# Altium PCB IoT_Greenhouse V1.0 A.PcbDoc (continued)
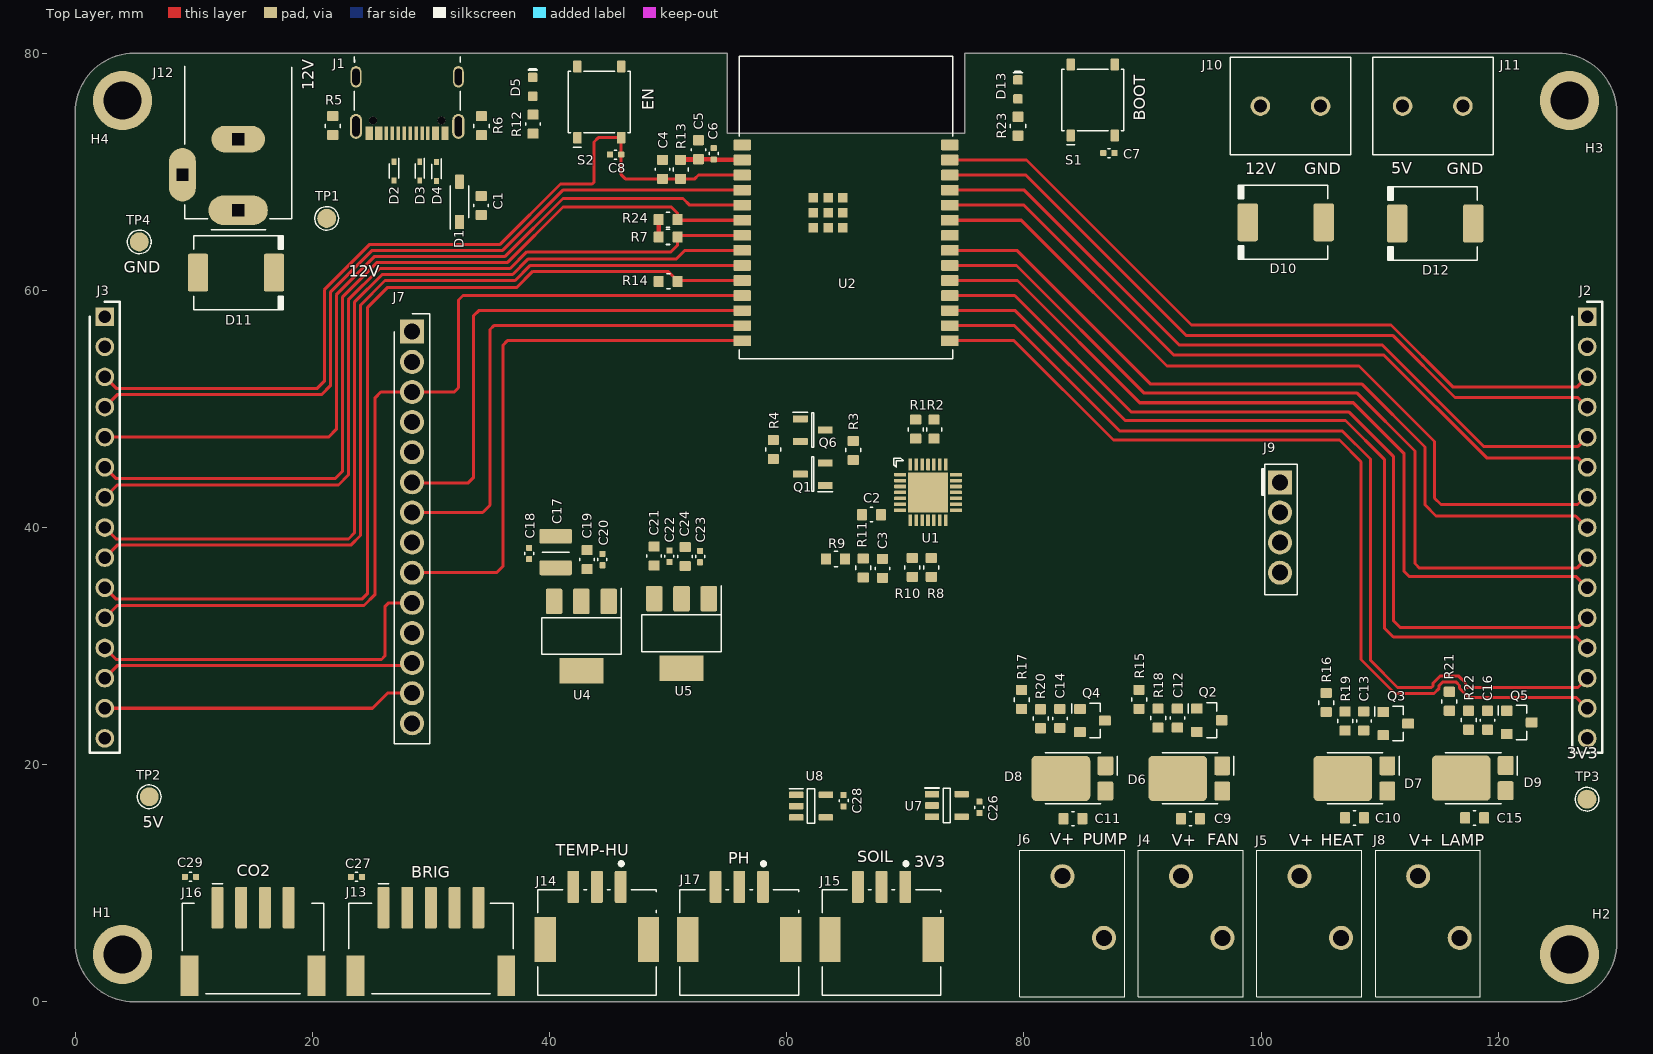
[diagram p0: Top Layer view]
## Part data (continued)
J14 J15 J17: library part CONN_JST_PH_3P_2MM_SM03B-PASS-TBT, "Conn Header SMD R/a 3POS 2MM", Manufacturer=JST, Supplier Part Number 1=455-SM03B-PASS-TBTCT-ND, Manufacturer Part Number=SM03B-PASS-TBT, Pricing 1="1=0.78, 10=0.657, 100=0.5904, 500=0.48304, 1000=0.42938, 2000=0.40254, 3000=0.38912, 5000=0.3757, 10000=0.35692, 25000=0.34887 (USD)", RoHS=No, Stock 1=258662, Supplier 1=Digikey
J16: library part CONN_JST_PH_RA_4P_2mm_JLCPCB, "1x4P PH 1 Tin 2mm 4 -25℃~+85℃ 2A Copper Alloy Surface Mount SMD,P=2mm Wire To Board / Wire To Wire Connector ROHS", Color=White, Current Rating=2A, Flammability Rating="UL94 V-0", Housing Color=Natural, Insulation Resistance=1GR, JLCPCB Part Number=C265102, Manufacturer=JST, Voltage Rating=100V, Category=Connectors, Contact Material="Copper Alloy", Contact Plating=Tin, Gender=Male, Height=5.5mm, Housing Material=Nylon, Lead Free="Lead Free", Length=11.9mm, Manufacturer Part Number=S4B-PH-SM4-TB(LF)(SN, Number of Contacts=4, Number of Positions=4, Number of Rows=1, Orientation="Right Angle", Packaging="Cut Tape", Pitch=2mm, Reach SVHC Compliant=Yes, RoHS=No, Supplier 1=jlcpcb, Termination=Solder, Voltage Rating (AC)=100V, Width=7.6mm
Q1 Q6: library part TRANS_BJT_NPN_800mA_25V_KSC3265YMTF, "KSC3265 Series 25 V CE Breakdown .8 A NPN Epitaxial Silicon Transistor - SOT-23", Case/Package=SOT-23, Collector Base Voltage (VCBO)=30V, Collector Emitter Breakdown Voltage=25V, Collector Emitter Saturation Voltage=400mV, Current Rating=800mA, Emitter Base Voltage (VEBO)=5V, Frequency=120MHz, Manufacturer="ON Semiconductor / Fairchild", Max Operating Temperature=150°C, Max Power Dissipation=200mW, Min Operating Temperature=-55°C, Package Quantity=3000, Supplier Part Number 1=KSC3265YMTFCT-ND, Category=BJTs, Collector Emitter Voltage (VCEO)=25V, Collector-emitter Voltage-Max=400mV, ComponentLink1Description=https://datasheet.ciiva.com/15138/getdatasheetpartid-30747-15138569.pdf?src-supplier=Verical, ComponentLink1URL=https://datasheet.ciiva.com/15138/getdatasheetpartid-30747-15138569.pdf?src-supplier=Verical, ComponentLink2Description=https://datasheet.ciiva.com/6356/ksc3265-6356136.pdf?src-supplier=Digikey, ComponentLink2URL=https://datasheet.ciiva.com/6356/ksc3265-6356136.pdf?src-supplier=Digikey, ComponentLink3Description=https://datasheet.ciiva.com/6356/ksc3265-6356138.pdf?src-supplier=Digikey, ComponentLink3URL=https://datasheet.ciiva.com/6356/ksc3265-6356138.pdf?src-supplier=Digikey, ComponentLink4Description=https://datasheet.ciiva.com/6356/ksc3265-6356141.pdf?src-supplier=Digikey, ComponentLink4URL=https://datasheet.ciiva.com/6356/ksc3265-6356141.pdf?src-supplier=Digikey, Gain Bandwidth Product=120MHz, Height=0.97mm, hFE Min=100, Lead Free="Lead Free", Length=2.9mm, Manufacturer Part Number=KSC3265YMTF, Max Breakdown Voltage=25V, Max Collector Current=800mA, Max Frequency=120MHz, Mount="Surface Mount", Number of Elements=1, Number of Pins=3, Packaging="Tape and Reel", Polarity=NPN, Power Dissipation=200mW, Pricing 1="1=0.22, 10=0.132, 100=0.0817, 500=0.05974, 1000=0.0526, 3000=0.0435, 6000=0.0389, 9000=0.03655, 15000=0.0339, 21000=0.03233, 30000=0.0308, 75000=0.02745, 150000=0.02537, 300000=0.02363 (USD)", Radiation Hardening=No, Reach SVHC Compliant=No, RoHS=Yes, RoHS Compliant=Yes, Series=-, Stock 1=8859, Supplier 1=Digikey, Transition Frequency=120MHz, Voltage Rating (DC)=25V, Weight=0.03g, Width=1.3mm
Q2 Q3 Q4 Q5: library part TRANS_FET_CH_N_20V_6.5A_DMG6968U-7, "Trans Mosfet N-ch 20V 6.5A 3-PIN SOT-23 T/r Trans Mosfet N-ch 20V 6.5A 3-PIN SOT-23 T/r", Case/Package=SOT-23-3, Continuous Drain Current (ID)=6.5A, Drain to Source Resistance=25mR, Drain to Source Voltage (Vdss)=20V, Drain-source On Resistance-Max=36mR, Gate to Source Voltage (Vgs)=12V, Input Capacitance=151pF, Manufacturer=Diodes, Max Operating Temperature=150°C, Max Power Dissipation=1.3W, Min Operating Temperature=-55°C, Package Quantity=1, Supplier Part Number 1=DMG6968UDICT-ND, Threshold Voltage=500mV, Category=MOSFETs, ComponentLink1Description=https://datasheet.ciiva.com/5774/ds31738-5774992.pdf?src-supplier=Farnell, ComponentLink1URL=https://datasheet.ciiva.com/5774/ds31738-5774992.pdf?src-supplier=Farnell, ComponentLink2Description=https://datasheet.ciiva.com/22712/1915638-22712395.pdf?src-supplier=Element14, ComponentLink2URL=https://datasheet.ciiva.com/22712/1915638-22712395.pdf?src-supplier=Element14, Fall Time=205ns, Height=1mm, Lead Free="Lead Free", Length=2.9mm, Manufacturer Part Number=DMG6968U-7, Mount="Surface Mount", Nominal Vgs=500mV, Number of Channels=1, Number of Pins=3, Packaging="Tape and Reel", Polarity=N-CHANNEL, Pricing 1="1=0.37, 10=0.289, 100=0.1732, 500=0.16034, 1000=0.10903 (USD)", Radiation Hardening=No, Rds On Max=25mR, Reach SVHC Compliant=No, Rise Time=66ns, RoHS=Yes, RoHS Compliant=Yes, Series=-, Stock 1=575891, Supplier 1=Digikey, Turn-Off Delay Time=613ns, Turn-On Delay Time=54ns, Weight=0.000282oz, Width=1.3mm
R1 R2: library part RES_0R_1%_100mW_0603, "RC Series 0603 0.1 W 0 Ohm Jumper Surface Mount Thick Film Chip Resistor", Case Code (Imperial)=0603, Case Code (Metric)=1608, Current Rating=1A, Manufacturer=Yageo, Max Operating Temperature=155°C, Max Power Dissipation=100mW, Min Operating Temperature=-55°C, Package Quantity=5000, Resistance=0R, Resistance Tolerance=1%, Resistor Type="Thick Film", Supplier Part Number 1=311-0.0HRCT-ND, Temperature Coefficient=200ppm/°C, Voltage Rating=50V, Working Voltage=75V, Case/Package=0603, Category="Chip SMD Resistors", ComponentLink1Description=https://datasheet.ciiva.com/11808/0900766b80f96399-11808172.pdf?src-supplier=Rs, ComponentLink1URL=https://datasheet.ciiva.com/11808/0900766b80f96399-11808172.pdf?src-supplier=Rs, ComponentLink2Description=https://datasheet.ciiva.com/5684/443971-5684699.pdf?src-supplier=Farnell, ComponentLink2URL=https://datasheet.ciiva.com/5684/443971-5684699.pdf?src-supplier=Farnell, ComponentLink3Description=https://datasheet.ciiva.com/7983/443971-7983627.pdf?src-supplier=Element14, ComponentLink3URL=https://datasheet.ciiva.com/7983/443971-7983627.pdf?src-supplier=Element14, ComponentLink4Description=https://datasheet.ciiva.com/22643/1868787-22643388.pdf?src-supplier=Element14, ComponentLink4URL=https://datasheet.ciiva.com/22643/1868787-22643388.pdf?src-supplier=Element14, ComponentLink5Description=https://datasheet.ciiva.com/46382/443971-46382072.pdf?src-supplier=Element14, ComponentLink5URL=https://datasheet.ciiva.com/46382/443971-46382072.pdf?src-supplier=Element14, ComponentLink6Description=https://datasheet.ciiva.com/29721/pyu-r-int-thick-7-29721178.pdf?src-supplier=Digi-Key, ComponentLink6URL=https://datasheet.ciiva.com/29721/pyu-r-int-thick-7-29721178.pdf?src-supplier=Digi-Key, ComponentLink7Description=https://datasheet.ciiva.com/29721/pyu-rc0603-51-rohs-l-4-29721179.pdf?src-supplier=Digi-Key, ComponentLink7URL=https://datasheet.ciiva.com/29721/pyu-rc0603-51-rohs-l-4-29721179.pdf?src-supplier=Digi-Key, ComponentLink8Description=https://datasheet.ciiva.com/5558/rc0603-272842-5558341.pdf?src-supplier=Mouser, ComponentLink8URL=https://datasheet.ciiva.com/5558/rc0603-272842-5558341.pdf?src-supplier=Mouser, Construction=Rectangular, Contact Plating=Tin,Matte, Depth=0.8mm, Features="Moisture Resistant", Height=0.45mm, Lead Free="Lead Free", Length=1.6mm, Manufacturer Part Number=RC0603FR-070RL, Military Standard=Not, Number of Pins=2, Number of Terminations=2, Packaging="Tape and Reel", Power Rating=100mW, Pricing 1="1=0.10000, 10=0.01800, 25=0.01320, 50=0.01000, 100=0.00730, 250=0.00560, 500=0.00448, 1000=0.00329 (USD)", Radiation Hardening=No, Reach SVHC Compliant=Yes, RoHS=Yes, RoHS Compliant=Yes, Series=RC, Stock 1=2843917, Supplier 1=Digi-Key, Technology="THICK FILM", Termination=SMD/SMT, Tolerance=1%, Voltage Rating (DC)=50V, Width=0.8mm
R3 R4 R8 R13 R14: library part RES_10K_1%_100mW_0603, "Chip Resistor Automotive Grade Thick Film 0603 10kOhm 1% Paper T/R", Case Code (Imperial)=0603, Case Code (Metric)=1608, Manufacturer=Yageo, Max Operating Temperature=155°C, Min Operating Temperature=-55°C, Power Rating=100mW, Resistance=10K, Supplier Part Number 1=13-AC0603FR-1010KLCT-ND, Temperature Coefficient=100ppm/°C, Tolerance=1%, Voltage Rating=50V, Case/Package=0603, Category="Chip SMD Resistors", ComponentLink1Description=http://www.mouser.com/ds/2/447/yageodocoutput-1111992.pdf?src-supplier=Mouser, ComponentLink1URL=http://www.mouser.com/ds/2/447/yageodocoutput-1111992.pdf?src-supplier=Mouser, Height=0.45mm, Length=1.6mm, Manufacturer Part Number=AC0603FR-1010KL, Packaging="Tape and Reel", Pricing 1="1=0.10000, 10=0.02500, 100=0.01030, 1000=0.00463, 2500=0.00402, 5000=0.00332 (USD)", RoHS=Yes, RoHS Compliant=Yes, Series=AC, Stock 1=172891, Supplier 1=Digi-Key, Supplier 2=Newark, Supplier 3=Avnet, Supplier Part Number 2=49AK0662, Supplier Part Number 3=49AK0662, Termination=SMD/SMT, Weight=7.1E-05oz, Width=0.8mm
R5 R6: library part RES_5.1K_1%_100mW_0603, "SMD Chip Resistor, 5.1 kOhm, ± 1%, 100 mW, 0603 [1608 Metric], Thick Film, General Purpose", Case Code (Imperial)=0603, Case Code (Metric)=1608, Manufacturer=Yageo, Max Operating Temperature=155°C, Max Power Dissipation=100mW, Min Operating Temperature=-55°C, Package Quantity=1, Resistance=5.1K, Resistance Tolerance=1%, Resistor Type="Thick Film", Supplier Part Number 1=311-5.10KHRCT-ND, Temperature Coefficient=100ppm/°C, Voltage Rating=50V, Case/Package=0603, Category="Chip SMD Resistors", ComponentLink1Description=https://datasheet.ciiva.com/15189/getdatasheetpartid-326732-15189786.pdf?src-supplier=Verical, ComponentLink1URL=https://datasheet.ciiva.com/15189/getdatasheetpartid-326732-15189786.pdf?src-supplier=Verical, ComponentLink2Description=https://datasheet.ciiva.com/46395/443971-46395016.pdf?src-supplier=Element14, ComponentLink2URL=https://datasheet.ciiva.com/46395/443971-46395016.pdf?src-supplier=Element14, ComponentLink3Description=https://datasheet.ciiva.com/2454/pyu-r-int-thick-7-2454045.pdf?src-supplier=Digi-Key, ComponentLink3URL=https://datasheet.ciiva.com/2454/pyu-r-int-thick-7-2454045.pdf?src-supplier=Digi-Key, ComponentLink4Description=https://datasheet.ciiva.com/2454/pyu-r-int-thick-7-2454046.pdf?src-supplier=Digi-Key, ComponentLink4URL=https://datasheet.ciiva.com/2454/pyu-r-int-thick-7-2454046.pdf?src-supplier=Digi-Key, ComponentLink5Description=https://datasheet.ciiva.com/2454/pyu-r-int-thick-7-2454047.pdf?src-supplier=Digi-Key, ComponentLink5URL=https://datasheet.ciiva.com/2454/pyu-r-int-thick-7-2454047.pdf?src-supplier=Digi-Key, Construction=Rectangular, Depth=0.8mm, Features="Moisture Resistant", Height=0.022inch, Lead Free="Lead Free", Length=0.063inch, Manufacturer Part Number=RC0603FR-075K1L, Military Standard=Not, Number of Pins=2, Number of Terminations=2, Packaging="Tape and Reel", Power Rating=100mW, Pricing 1="1=0.1, 10=0.018, 50=0.0106, 100=0.0088, 500=0.00592, 1000=0.00505 (USD)", Reach SVHC Compliant=No, RoHS=Yes, RoHS Compliant=Yes, Series=RC, Size Code=0603, Stock 1=3197702, Supplier 1=Digi-Key, Termination=SMD/SMT, Tolerance=1%, Voltage Rating (DC)=50V, Width=0.031inch
R7 R24: library part RES_4.7K_1%_100mW_0603, "Res Thick Film 0603 4.7K Ohm 1% 1/10W ±100ppm/°C Molded SMD Paper T/R", Case Code (Imperial)=0603, Case Code (Metric)=1608, Manufacturer=Yageo, Max Operating Temperature=155°C, Max Power Dissipation=100mW, Min Operating Temperature=-55°C, Resistance=4.7K, Resistance Tolerance=1%, Resistor Type="Thick Film", Supplier Part Number 1=311-4.70KHRDKR-ND, Temperature Coefficient=100ppm/°C, Voltage Rating=50V, Case/Package=0603, Category="Chip SMD Resistors", ComponentLink1Description=https://datasheet.ciiva.com/15189/getdatasheetpartid-422754-15189760.pdf?src-supplier=Verical, ComponentLink1URL=https://datasheet.ciiva.com/15189/getdatasheetpartid-422754-15189760.pdf?src-supplier=Verical, ComponentLink2Description=https://datasheet.ciiva.com/7660/38590-7660794.pdf?src-supplier=Element14, ComponentLink2URL=https://datasheet.ciiva.com/7660/38590-7660794.pdf?src-supplier=Element14, ComponentLink3Description=https://datasheet.ciiva.com/22747/443971-22747528.pdf?src-supplier=Element14, ComponentLink3URL=https://datasheet.ciiva.com/22747/443971-22747528.pdf?src-supplier=Element14, ComponentLink4Description=https://datasheet.ciiva.com/46440/1868787-46440909.pdf?src-supplier=Element14, ComponentLink4URL=https://datasheet.ciiva.com/46440/1868787-46440909.pdf?src-supplier=Element14, ComponentLink5Description=https://datasheet.ciiva.com/7746/1868787-7746365.pdf?src-supplier=Element14, ComponentLink5URL=https://datasheet.ciiva.com/7746/1868787-7746365.pdf?src-supplier=Element14, ComponentLink6Description=https://datasheet.ciiva.com/7746/1738695-7746366.pdf?src-supplier=Element14, ComponentLink6URL=https://datasheet.ciiva.com/7746/1738695-7746366.pdf?src-supplier=Element14, Construction=Rectangular, Depth=0.8mm, Features="Moisture Resistant", Height=0.45mm, Lead Free="Lead Free", Lead Pitch=0.3mm, Length=1.6mm, Manufacturer Part Number=RC0603FR-074K7L, Military Standard=Not, Number of Pins=2, Number of Terminations=2, Packaging="Tape and Reel", Power Rating=100mW, Pricing 1="1=0.10000, 10=0.01900, 100=0.00770, 1000=0.00345, 2500=0.00300 (USD)", RoHS=Yes, RoHS Compliant=Yes, Series=RC, Size Code=0603, Stock 1=12195533, Supplier 1=Digi-Key, Supplier 2=Newark, Supplier 3=Mouser, Supplier Part Number 2=75X0151, Supplier Part Number 3=603-RC0603FR-074K7L, Termination=SMD/SMT, Tolerance=1%, Voltage Rating (DC)=50V, Width=0.8mm
R9: library part RES_22.1K_1%_100mW_0603, "SMD Chip Resistor, 22.1 kOhm, ± 1%, 100 mW, 0603 [1608 Metric], Thick Film, General Purpose", Case Code (Imperial)=0603, Case Code (Metric)=1608, Manufacturer=Yageo, Max Operating Temperature=155°C, Max Power Dissipation=100mW, Min Operating Temperature=-55°C, Package Quantity=5000, Resistance=22.1K, Supplier Part Number 1=311-22.1KHRCT-ND, Temperature Coefficient=100ppm/°C, Tolerance=1%, Voltage Rating=50V, Case/Package=0603, Category="Chip SMD Resistors", ComponentLink1Description=https://datasheet.ciiva.com/12555/rc0603-272842-12555287.pdf?src-supplier=Mouser, ComponentLink1URL=https://datasheet.ciiva.com/12555/rc0603-272842-12555287.pdf?src-supplier=Mouser, Features="Moisture Resistant", Height=0.45mm, Lead Free=5697LeadFree, Length=1.6mm, Manufacturer Part Number=RC0603FR-0722K1L, Number of Terminations=2, Packaging="Tape and Reel", Power Rating=100mW, Pricing 1="1=0.1, 10=0.019, 50=0.0112, 100=0.0093, 500=0.00622, 1000=0.00532 (USD)", RoHS=Yes, RoHS Compliant=Yes, Series=RC, Size Code=0603, Stock 1=270995, Supplier 1=Digikey, Termination=SMD/SMT, Voltage Rating (DC)=50V, Width=0.8mm
R10: library part RES_1K_1%_100mW_0603, "Chip Resistor Automotive Grade Thick Film 0603 1kOhm 1% Paper T/R", Case Code (Imperial)=0603, Case Code (Metric)=1608, Manufacturer=Yageo, Max Operating Temperature=155°C, Min Operating Temperature=-55°C, Power Rating=100mW, Resistance=1K, Supplier Part Number 1=13-AC0603FR-101KLDKR-ND, Temperature Coefficient=100ppm/°C, Tolerance=1%, Voltage Rating=50V, Case/Package=0603, Category="Chip SMD Resistors", ComponentLink1Description=http://www.mouser.com/ds/2/447/yageodocoutput-1111992.pdf?src-supplier=Mouser, ComponentLink1URL=http://www.mouser.com/ds/2/447/yageodocoutput-1111992.pdf?src-supplier=Mouser, Height=0.45mm, Length=1.6mm, Manufacturer Part Number=AC0603FR-101KL, Packaging="Tape and Reel", Pricing 1="1=0.10000, 10=0.02500, 100=0.01030, 1000=0.00463, 2500=0.00402, 5000=0.00332 (USD)", RoHS=Yes, RoHS Compliant=Yes, Series=AC, Stock 1=108593, Supplier 1=Digi-Key, Supplier 2=Newark, Supplier 3=Mouser, Supplier Part Number 2=31AK9289, Supplier Part Number 3=603-AC0603FR-101KL, Termination=SMD/SMT, Width=0.8mm
R11: library part RES_47.5K_1%_100mW_0603, "SMD Chip Resistor, 47.5 kOhm, ± 1%, 100 mW, 0603 [1608 Metric], Thick Film, General Purpose", Case Code (Imperial)=0603, Case Code (Metric)=1608, Manufacturer=Yageo, Max Operating Temperature=155°C, Max Power Dissipation=100mW, Min Operating Temperature=-55°C, Ratings=AEC-Q200, Resistance=47.5K, Supplier Part Number 1=YAG5340CT-ND, Temperature Coefficient=100ppm/°C, Tolerance=1%, Voltage Rating=50V, Case/Package=0603, Category="Chip SMD Resistors", ComponentLink1Description=http://www.mouser.com/ds/2/447/yageodocoutput-1111992.pdf?src-supplier=Mouser, ComponentLink1URL=http://www.mouser.com/ds/2/447/yageodocoutput-1111992.pdf?src-supplier=Mouser, ComponentLink2Description=https://www.yageo.com/upload/media/product/productsearch/datasheet/rchip/PYu-AC_51_RoHS_L_7.pdf?src-supplier=Digikey, ComponentLink2URL=https://www.yageo.com/upload/media/product/productsearch/datasheet/rchip/PYu-AC_51_RoHS_L_7.pdf?src-supplier=Digikey, ComponentLink3Description=http://www.yageo.com/NewPortal/yageodocoutput?fileName=/pdf/R-Chip/PYu-AC_51_RoHS_L_6.pdf&src-supplier=Digikey, ComponentLink3URL=http://www.yageo.com/NewPortal/yageodocoutput?fileName=/pdf/R-Chip/PYu-AC_51_RoHS_L_6.pdf&src-supplier=Digikey, ComponentLink4Description=http://www.yageo.com/NewPortal/yageodocoutput?fileName=/pdf/R-Chip/PYu-AC_51_RoHS_L_5.pdf&src-supplier=Digikey, ComponentLink4URL=http://www.yageo.com/NewPortal/yageodocoutput?fileName=/pdf/R-Chip/PYu-AC_51_RoHS_L_5.pdf&src-supplier=Digikey, Features="Moisture Resistant,Automotive AEC-Q200", Height=0.022inch, Length=0.063inch, Manufacturer Part Number=AC0603FR-0747K5L, Number of Terminations=2, Packaging="Tape and Reel", Power Rating=100mW, Pricing 1="1=0.1, 10=0.021, 50=0.013, 100=0.0108, 500=0.00734, 1000=0.00633 (USD)", RoHS=Yes, RoHS Compliant=Yes, Series=AC, Stock 1=18567, Supplier 1=Digikey, Termination=SMD/SMT, Width=0.8mm
R12: library part RES_100R_1%_100MW_0603, "Res Thick Film 0603 100 Ohm 1% 1/10W ±100ppm/°C Molded SMD Punched Carrier T/R", Case Code (Imperial)=0603, Case Code (Metric)=1608, Manufacturer=Panasonic, Max Operating Temperature=155°C, Max Power Dissipation=100mW, Min Operating Temperature=-55°C, Package Quantity=5000, Resistance=100R, Resistance Tolerance=1%, Resistor Type="Thick Film", Supplier Part Number 1=667-ERJ-3EKF1000V, Temperature Coefficient=100ppm/°C, Voltage Rating=75V, Case/Package=0603, Category="Chip SMD Resistors", ComponentLink1Description=https://datasheet.ciiva.com/34303/1987450-34303565.pdf?src-supplier=Jameco, ComponentLink1URL=https://datasheet.ciiva.com/34303/1987450-34303565.pdf?src-supplier=Jameco, ComponentLink2Description=https://datasheet.ciiva.com/24159/aoa0000ce2-24159753.pdf?src-supplier=Mouser, ComponentLink2URL=https://datasheet.ciiva.com/24159/aoa0000ce2-24159753.pdf?src-supplier=Mouser, ComponentLink3Description=https://datasheet.ciiva.com/30088/aoa0000ce2-30088649.pdf?src-supplier=Onlinecomponents.com, ComponentLink3URL=https://datasheet.ciiva.com/30088/aoa0000ce2-30088649.pdf?src-supplier=Onlinecomponents.com, ComponentLink4Description=https://datasheet.ciiva.com/16762/70260748-16762666.pdf?src-supplier=Allied+Electronics, ComponentLink4URL=https://datasheet.ciiva.com/16762/70260748-16762666.pdf?src-supplier=Allied+Electronics, ComponentLink5Description=https://datasheet.ciiva.com/16765/70260748-16765766.pdf?src-supplier=Allied+Electronics, ComponentLink5URL=https://datasheet.ciiva.com/16765/70260748-16765766.pdf?src-supplier=Allied+Electronics, ComponentLink6Description=https://datasheet.ciiva.com/9186/aoa0000ce2-9186725.pdf?src-supplier=Avnet, ComponentLink6URL=https://datasheet.ciiva.com/9186/aoa0000ce2-9186725.pdf?src-supplier=Avnet, ComponentLink7Description=https://datasheet.ciiva.com/48530/aoa0000ce2-48530986.pdf?src-supplier=Avnet, ComponentLink7URL=https://datasheet.ciiva.com/48530/aoa0000ce2-48530986.pdf?src-supplier=Avnet, ComponentLink8Description=https://datasheet.ciiva.com/22667/1678782-22667887.pdf?src-supplier=Element14, ComponentLink8URL=https://datasheet.ciiva.com/22667/1678782-22667887.pdf?src-supplier=Element14, ComponentLink9Description=https://datasheet.ciiva.com/46372/1678782-46372726.pdf?src-supplier=Element14, ComponentLink9URL=https://datasheet.ciiva.com/46372/1678782-46372726.pdf?src-supplier=Element14, ComponentLink10Description=https://datasheet.ciiva.com/46372/1678782-46372727.pdf?src-supplier=Element14, ComponentLink10URL=https://datasheet.ciiva.com/46372/1678782-46372727.pdf?src-supplier=Element14, ComponentLink11Description=https://datasheet.ciiva.com/7830/aoa0000ce2-7830728.pdf?src-supplier=Element14, ComponentLink11URL=https://datasheet.ciiva.com/7830/aoa0000ce2-7830728.pdf?src-supplier=Element14, Construction=Rectangular, Contact Plating=Tin, Depth=0.8mm, Features="Automotive AEC-Q200", Height=0.45mm, Lead Free="Lead Free", Length=1.6mm, Manufacturer Part Number=ERJ3EKF1000V, Military Standard=Not, Mount="Surface Mount", Number of Terminations=2, Packaging="Tape and Reel", Power Rating=100mW, Pricing 1="1=0.1, 10=0.024, 50=0.024, 100=0.011, 1000=0.008, 10000=0.005 (USD)", Radiation Hardening=No, Reach SVHC Compliant=No, RoHS=Yes, RoHS Compliant=Yes, Series=ERJ, Size Code=0603, Stock 1=2420097, Supplier 1=Mouser, Termination=SMD/SMT, Tolerance=1%, Voltage Rating (DC)=75V, Weight=7.1E-05oz, Width=0.8mm
R15 R16 R17 R21: library part RES_10R_5%_100mW_0603, "SMD Chip Resistor, 10 Ohm, ± 5%, 100 mW, 0603 [1608 Metric], Thick Film, General Purpose", Case Code (Imperial)=0603, Case Code (Metric)=1608, Manufacturer=Yageo, Max Operating Temperature=155°C, Max Power Dissipation=100mW, Min Operating Temperature=-55°C, Resistance=10R, Resistance Tolerance=5%, Resistor Type="Thick Film", Supplier Part Number 1=311-10GRCT-ND, Temperature Coefficient=200ppm/°C, Voltage Rating=50V, Case/Package=0603, Category="Chip SMD Resistors", ComponentLink1Description=https://datasheet.ciiva.com/46395/443971-46395069.pdf?src-supplier=Element14, ComponentLink1URL=https://datasheet.ciiva.com/46395/443971-46395069.pdf?src-supplier=Element14, ComponentLink2Description=https://datasheet.ciiva.com/7746/443971-7746431.pdf?src-supplier=Element14, ComponentLink2URL=https://datasheet.ciiva.com/7746/443971-7746431.pdf?src-supplier=Element14, Construction=Rectangular, Depth=0.8mm, Features="Moisture Resistant", Lead Free="Lead Free", Length=1.6mm, Manufacturer Part Number=RC0603JR-0710RL, Military Standard=Not, Number of Pins=2, Number of Terminations=2, Packaging="Tape and Reel", Power Rating=100mW, Pricing 1="1=0.1, 10=0.024, 50=0.0154, 100=0.013, 500=0.00894, 1000=0.00773 (USD)", Reach SVHC Compliant=No, RoHS=Yes, RoHS Compliant=Yes, Series=RC, Size Code=0603, Stock 1=769777, Supplier 1=Digi-Key, Termination=SMD/SMT, Tolerance=5%, Voltage Rating (DC)=50V, Width=0.8mm
R18 R19 R20 R22: library part RES_100K_1%_100mW_0603, "RES SMD 100K OHM 1% 1/10W 0603", Case Code (Imperial)=0603, Case Code (Metric)=1608, Manufacturer=Yageo, Max Operating Temperature=155°C, Max Power Dissipation=100mW, Min Operating Temperature=-55°C, Resistance=100K, Resistance Tolerance=1%, Resistor Type="Thick Film", Supplier Part Number 1=311-100KHRDKR-ND, Temperature Coefficient=100ppm/°C, Voltage Rating=50V, Working Voltage=75V, Case/Package=0603, Category="Chip SMD Resistors", ComponentLink1Description=https://datasheet.ciiva.com/11808/0900766b80f96399-11808107.pdf?src-supplier=Rs, ComponentLink1URL=https://datasheet.ciiva.com/11808/0900766b80f96399-11808107.pdf?src-supplier=Rs, ComponentLink2Description=https://datasheet.ciiva.com/7983/443971-7983593.pdf?src-supplier=Element14, ComponentLink2URL=https://datasheet.ciiva.com/7983/443971-7983593.pdf?src-supplier=Element14, ComponentLink3Description=https://datasheet.ciiva.com/22747/443971-22747516.pdf?src-supplier=Element14, ComponentLink3URL=https://datasheet.ciiva.com/22747/443971-22747516.pdf?src-supplier=Element14, ComponentLink4Description=https://datasheet.ciiva.com/46440/1868787-46440889.pdf?src-supplier=Element14, ComponentLink4URL=https://datasheet.ciiva.com/46440/1868787-46440889.pdf?src-supplier=Element14, ComponentLink5Description=https://datasheet.ciiva.com/7746/1738695-7746235.pdf?src-supplier=Element14, ComponentLink5URL=https://datasheet.ciiva.com/7746/1738695-7746235.pdf?src-supplier=Element14, ComponentLink6Description=https://datasheet.ciiva.com/7746/1738695-7746234.pdf?src-supplier=Element14, ComponentLink6URL=https://datasheet.ciiva.com/7746/1738695-7746234.pdf?src-supplier=Element14, Construction=Rectangular, Depth=0.8mm, Features="Moisture Resistant", Height=0.45mm, Lead Free="Lead Free", Length=1.6mm, Manufacturer Part Number=RC0603FR-07100KL, Military Standard=Not, Number of Pins=2, Number of Terminations=2, Packaging="Tape and Reel", Power Rating=100mW, Pricing 1="1=0.10000, 10=0.01900, 100=0.00770, 1000=0.00345, 2500=0.00300 (USD)", Reach SVHC Compliant=Yes, RoHS=Yes, RoHS Compliant=Yes, Series=RC, Stock 1=11038732, Supplier 1=Digi-Key, Technology="THICK FILM", Termination=SMD/SMT, Tolerance=1%, Voltage Rating (DC)=50V, Width=0.8mm
R23: library part RES_130R_5%_100mW_0603, "Res Thick Film 0603 130 Ohm 5% 1/10W ±100ppm/°C Molded SMD SMD Paper T/R", Case Code (Imperial)=0603, Case Code (Metric)=1608, Manufacturer=Yageo, Max Operating Temperature=155°C, Max Power Dissipation=100mW, Min Operating Temperature=-55°C, Package Quantity=1, Resistence=130R, Resistor Type="Thick Film", Supplier Part Number 1=311-130GRCT-ND, Temperature Coefficient=100ppm/°C, Tolerance=5%, Voltage Rating=50V, Working Voltage=75V, Case/packcage=0603, Category="Chip SMD Resistors", ComponentLink1Description=https://datasheet.ciiva.com/2518/pyu-r-int-thick-7-2518866.pdf?src-supplier=Digi-Key, ComponentLink1URL=https://datasheet.ciiva.com/2518/pyu-r-int-thick-7-2518866.pdf?src-supplier=Digi-Key, ComponentLink2Description=https://datasheet.ciiva.com/2518/pyu-r-int-thick-7-2518865.pdf?src-supplier=Digi-Key, ComponentLink2URL=https://datasheet.ciiva.com/2518/pyu-r-int-thick-7-2518865.pdf?src-supplier=Digi-Key, ComponentLink3Description=https://datasheet.ciiva.com/8887/pyu-rc0603-51-rohs-l-4-8887501.pdf?src-supplier=Avnet, ComponentLink3URL=https://datasheet.ciiva.com/8887/pyu-rc0603-51-rohs-l-4-8887501.pdf?src-supplier=Avnet, Construction=Rectangular, Contact Plating=Tin,Matte, Depth=0.8mm, Features="Moisture Resistant", Height=0.022inch, Lead Free="Lead Free", Length=0.063inch, Manufacturer Part Number=RC0603JR-07130RL, Military Standard=Not, Number of Terminations=2, Packaging="Tape and Reel", Power Rating=100mW, Pricing 1="1=0.10000, 10=0.01600, 100=0.00640, 1000=0.00286, 2500=0.00248 (USD)", Radiation Hardening=No, RoHS=Yes, RoHS Compliant=Yes, Series=RC, Stock 1=487963, Supplier 1=Digi-Key, Supplier 2=Mouser, Supplier 3=Avnet, Supplier Part Number 2=603-RC0603JR-07130RL, Supplier Part Number 3=RC0603JR-07130RL, Termination=SMD/SMT, Voltage Rating (DC)=50V, Width=0.031inch
S1 S2: library part SWITCH_NO_SPST_0.05A, "Switch Tactile N.O. SPST Round Button Gull Wing 0.05A 12VDC 200000Cycles 2.55N SMD T/R", Manufacturer="ITT C&K", Supplier Part Number 1=CKN12221-6-ND, Category=Uncategorized, Manufacturer Part Number=PTS526SK15SMTR2LFS, Pricing 1="1=0.12, 10=0.12, 25=0.114, 100=0.1035, 250=0.09732, 500=0.08904, 1000=0.07454 (USD)", RoHS=No, Stock 1=382158, Supplier 1=Digi-Key
TP1 TP2 TP3 TP4: library part TP_PAD_SMD_Round, "Test Point, SMD pad, round, 1.5mm, 1.6mm, 3mm diameter"
U1: library part IC_BRIDGE_UART_CP2102N-A02-GQFN28R, "Full Speed USB to UART Bridge USB 2.0 3.3V T/R Automotive 28-Pin QFN EP", Case/Package=QFN, Manufacturer="Silicon Labs", Max Operating Temperature=85°C, Min Operating Temperature=-40°C, Operating Supply Current=9.5mA, Supplier Part Number 1=336-5890-1-ND, Category="USB Interface ICs", ComponentLink1Description=https://www.silabs.com/documents/public/data-sheets/cp2102n-datasheet.pdf?src-supplier=Digikey, ComponentLink1URL=https://www.silabs.com/documents/public/data-sheets/cp2102n-datasheet.pdf?src-supplier=Digikey, ComponentLink2Description=https://4donline.ihs.com/images/VipMasterIC/IC/SILC/SILC-S-A0007770867/SILC-S-A0007770867-1.pdf?hkey=6D3A4C79FDBF58556ACFDE234799DDF0&src-supplier=Farnell, ComponentLink2URL=https://4donline.ihs.com/images/VipMasterIC/IC/SILC/SILC-S-A0007770867/SILC-S-A0007770867-1.pdf?hkey=6D3A4C79FDBF58556ACFDE234799DDF0&src-supplier=Farnell, Interface=UART, Manufacturer Part Number=CP2102N-A02-GQFN28R, Packaging="Cut Tape", Pricing 1="1=4.66, 10=4.183, 25=3.954, 100=3.4269, 250=3.2512, 500=2.91728 (USD)", RoHS=Yes, Series=USBXpress™, Stock 1=29620, Supplier 1=Digikey
U2: library part IC_MODULE_ESP32-C6-WROOM-1-N4, "ESP32-C6-WROOM-1-N4 Engineering Module - 4 MB Quad SPI Flash", Manufacturer="Espressif Systems", Supplier Part Number 1=1965-ESP32-C6-WROOM-1-N4CT-ND, Category=LDO, Manufacturer Part Number=ESP32-C6-WROOM-1-N4, Pricing 1="1=2.85 (USD)", RoHS=No, Stock 1=4715, Supplier 1=Digikey
U4: library part IC_REG_LDO_5V_1A_AZ1117IH-5.0TRG1, "LDO Regulator Pos 5V 1A 3-Pin SOT-223 T/R", Case/Package=TO-261-4, Dropout Voltage=1.2V, Manufacturer=Diodes, Max Operating Temperature=125°C, Min Current Limit=1A, Min Operating Temperature=-40°C, Output Current=800mA, Output Voltage=5V, Supplier Part Number 1=AZ1117IH-5.0TRG1DIDKR-ND, Category="Voltage Regulators - Linear", ComponentLink1Description=https://www.diodes.com/assets/Datasheets/AZ1117I.pdf?src-supplier=Digi-Key, ComponentLink1URL=https://www.diodes.com/assets/Datasheets/AZ1117I.pdf?src-supplier=Digi-Key, Manufacturer Part Number=AZ1117IH-5.0TRG1, Mount="Surface Mount", Number of Regulators=1, Packaging="Tape and Reel", Pricing 1="1=0.40000, 10=0.32100, 25=0.29360, 100=0.21840, 250=0.19796, 500=0.16384, 1000=0.12288 (USD)", RoHS=Yes, RoHS Compliant=Yes, Stock 1=138078, Supplier 1=Digi-Key
U5: library part IC_REG_LDO_3.3V_1A_AP2114H-3.3TRG1, "IC REG LDO 3.3V 1A SOT223", Manufacturer=Diodes, Supplier Part Number 1=AP2114H-3.3TRG1DICT-ND, Category="Voltage Regulators - Linear", ComponentLink1Description=https://datasheet.ciiva.com/29569/ap2114-29569881.pdf?src-supplier=Digikey, ComponentLink1URL=https://datasheet.ciiva.com/29569/ap2114-29569881.pdf?src-supplier=Digikey, ComponentLink2Description=https://datasheet.ciiva.com/29569/ap2114-29569882.pdf?src-supplier=Digikey, ComponentLink2URL=https://datasheet.ciiva.com/29569/ap2114-29569882.pdf?src-supplier=Digikey, ComponentLink3Description=https://datasheet.ciiva.com/29569/ap2114-29569883.pdf?src-supplier=Digikey, ComponentLink3URL=https://datasheet.ciiva.com/29569/ap2114-29569883.pdf?src-supplier=Digikey, Manufacturer Part Number=AP2114H-3.3TRG1, Pricing 1="1=0.41, 10=0.332, 25=0.304, 100=0.2262, 250=0.20504, 500=0.16968, 1000=0.12726 (USD)", RoHS=Yes, Stock 1=34610, Supplier 1=Digikey
U7 U8: library part IC_AMP_OP_TLV2371IDBVT, "Single 550-uA/channel, 3MHz, RRIO op amp 5-SOT-23 -40 to 125", Case/Package=SOT-23, Dual Supply Voltage=5V, Input Bias Current=60pA, Input Offset Voltage (Vos)=4.5mV, Manufacturer="Texas Instruments", Max Dual Supply Voltage=8V, Max Operating Temperature=125°C, Max Supply Voltage=16V, Min Dual Supply Voltage=1.35V, Min Operating Temperature=-40°C, Min Supply Voltage=2.7V, Operating Supply Current=750uA, Output Current=16mA, Package Quantity=1, Power Dissipation=385mW, Power Supply Rejection Ratio (PSRR)=70dB, Supplier Part Number 1=296-26785-6-ND, Supply Current=900uA, Voltage Gain=110dB, Amplifier Type="GENERAL PURPOSE", Bandwidth=3MHz, Category="Amplifiers - Op Amps, Buffer, Instrumentation", Common Mode Rejection Ratio=50dB, ComponentLink1Description=https://datasheet.ciiva.com/34301/1096243-34301979.pdf?src-supplier=Jameco, ComponentLink1URL=https://datasheet.ciiva.com/34301/1096243-34301979.pdf?src-supplier=Jameco, ComponentLink2Description=https://datasheet.ciiva.com/1813/tlv2370-1813657.pdf?src-supplier=Digikey, ComponentLink2URL=https://datasheet.ciiva.com/1813/tlv2370-1813657.pdf?src-supplier=Digikey, ComponentLink3Description=https://datasheet.ciiva.com/1813/tlv2370-1813658.pdf?src-supplier=Digikey, ComponentLink3URL=https://datasheet.ciiva.com/1813/tlv2370-1813658.pdf?src-supplier=Digikey, ComponentLink4Description=https://datasheet.ciiva.com/1813/tlv2370-1813659.pdf?src-supplier=Digikey, ComponentLink4URL=https://datasheet.ciiva.com/1813/tlv2370-1813659.pdf?src-supplier=Digikey, ComponentLink5Description=https://datasheet.ciiva.com/2974/slos270d-2974406.pdf?src-supplier=Avnet, ComponentLink5URL=https://datasheet.ciiva.com/2974/slos270d-2974406.pdf?src-supplier=Avnet, ComponentLink6Description=https://datasheet.ciiva.com/2974/slos270d-2974407.pdf?src-supplier=Avnet, ComponentLink6URL=https://datasheet.ciiva.com/2974/slos270d-2974407.pdf?src-supplier=Avnet, ComponentLink7Description=https://datasheet.ciiva.com/22707/1877122-22707949.pdf?src-supplier=Element14, ComponentLink7URL=https://datasheet.ciiva.com/22707/1877122-22707949.pdf?src-supplier=Element14, ComponentLink8Description=https://datasheet.ciiva.com/46386/1877122-46386527.pdf?src-supplier=Element14, ComponentLink8URL=https://datasheet.ciiva.com/46386/1877122-46386527.pdf?src-supplier=Element14, ComponentLink9Description=https://datasheet.ciiva.com/7848/1877122-7848285.pdf?src-supplier=Element14, ComponentLink9URL=https://datasheet.ciiva.com/7848/1877122-7848285.pdf?src-supplier=Element14, Gain Bandwidth Product=3MHz, Height=1.15mm, Lead Free="Lead Free", Length=2.9mm, Manufacturer Part Number=TLV2371IDBVT, Max I/O Voltage=4.5mV, Nominal Gain Bandwidth Product=3MHz, Number of Amplifiers=1, Number of Channels=1, Number of Circuits=1, Number of Elements=1, Number of Pins=5, Operating Supply Voltage=8V, Output Current per Channel=16mA, Packaging="Tape and Reel", Pricing 1="1=1.65, 10=1.483, 25=1.3988, 100=1.1918 (USD)", Radiation Hardening=No, Reach SVHC Compliant=No, RoHS=Yes, RoHS Compliant=Yes, Series=-, Slew Rate=2.4V/µs, Stock 1=25753, Supplier 1=Digikey, Unity Gain Bandwidth Product=3MHz, Width=1.6mm

## Nets (pads, with @x,y where several pads share a name; then routed paths per layer and width w, separated by ;. In a path a pad name is that pad's centre, name@x,y a point inside that pad or via, vN(x,y) a via of type N, cw(c..) or ccw(c..) an arc to the next point about the centre after c; other vN are vias at no path point)
3V3: C2.2 C5.2 C6.2 C23.2 C24.2 C26.2 C27.2 C28.2 C29.2 J3.1 J7.1 J7.8 J13.1 J14.1 J15.1 J16.1 J17.1 R7.2 R10.2 R13.1 R14.1 R24.2 TP3.1 U1.6 U1.7 U2.2 U5.2 U5.4 U7.5 U8.5 | length 6.7
  Top Layer w0.4: R7.2 R24.2 ; R13.1 51.079,71.031 52.527,71.031 C5.2 52.558,71.051 53.843,71.051 C6.2 53.876,71.018 56.222,71.018 U2.2
5V: C1.2 C19.2 C20.2 C21.2 C22.2 D1.1 D12.1 J2.1 R23.1 TP2.1 U4.2 U4.4 U5.3
12V: C9.2 C10.2 C11.2 C15.2 C17.2 C18.2 D6.K D7.K D8.K D9.K D10.1 D11.1 J4.1 J5.1 J6.1 J8.1 TP1.1 U4.3
AIN_1: J15.2 U7.3
AIN_2: J17.2 U8.3
CHIP_PU: C4.2 C8.1 J3.3 Q1.3 R13.2 S2.3 U2.3 | length 72.8
  Top Layer w0.254: J3.3 3.46,51.74 20.422,51.74 21.006,52.324 21.006,60.046 24.841,63.881 35.84,63.881 40.917,68.958 43.601,68.958 43.75,69.107 43.75,72.5 44.12,72.87 S2.3 ; S2.3@46.047,72.869 46.047,71.451 46.048,69.75 46.392,69.406 C4.2 R13.2 52.25,69.406 52.564,69.72 U2.3
DM_N: D2.2 J1.A7 J1.B7 U1.5
DM_P: D3.2 J1.A6 J1.B6 U1.4
DTR: Q6.3 R3.2 U1.28
G_FAN: C12.2 Q2.1 R15.2 R18.2
G_HET: C13.2 Q3.1 R16.2 R19.2
G_LAMP: C16.2 Q5.1 R21.2 R22.2
G_PUMP: C14.2 Q4.1 R17.2 R20.2
GND: C1.1 C2.1 C3.1 C4.1 C5.1 C6.1 C7.2 C8.2 C12.1 C13.1 C14.1 C16.1 C17.1 C18.1 C19.1 C20.1 C21.1 C22.1 C23.1 C24.1 C26.1 C27.1 C28.1 C29.1 D2.1 D3.1 D4.1 D5.1 D13.1 J1.A1_B12 J1.B1_A12 J1.SH1 J1.SH2 J1.SH3 J1.SH4 J2.2 J2.15 J3.2 J3.15 J7.2 J10.2 J11.2 J12.2 J12.3 J13.0 J13.2 J13.5 J14.3 J14.SH J15.3 J15.SH J16.0 J16.2 J17.3 J17.SH Q2.2 Q3.2 Q4.2 Q5.2 R5.1 R6.1 R8.2 R11.1 R18.1 R19.1 R20.1 R22.1 S1.1 S2.1 TP4.1 U1.3 U1.29 U2.1 U2.28 U2.29 U2.30 U2.31 U2.32 U2.33 U2.34 U2.35 U2.36 U2.37 U4.1 U5.1 U7.2 U8.2
GPIO0: J3.8 U2.8 | length 75.6
  Top Layer w0.254: J3.8 3.46,39.04 23.056,39.04 23.546,39.53 23.546,58.993 25.893,61.341 36.892,61.341 38.173,62.622 50.672,62.622 51.42,63.37 U2.8
GPIO1: J3.9 J14.2 U2.9 | length 75.4
  Top Layer w0.254: J3.9 3.546,38.506 23.241,38.506 24.054,39.319 24.054,58.75 26.137,60.833 37.102,60.833 38.383,62.114 52.035,62.114 52.049,62.1 U2.9
GPIO2: J2.3 U2.27 U7.1 U7.4 | length 62
  Top Layer w0.254: U2.27 80.216,70.99 94.132,57.074 110.954,57.074 116.161,51.867 126.667,51.867 J2.3
GPIO3: J2.4 U2.26 U8.1 U8.4 | length 61.9
  Top Layer w0.254: U2.26 80.165,69.72 93.675,56.21 111.1,56.21 116.353,50.957 126.703,50.957 J2.4
GPIO4: J3.4 J16.3 U2.4 | length 65.9
  Top Layer w0.254: J3.4 3.546,51.206 20.777,51.206 21.514,51.943 21.514,59.835 25.052,63.373 36.05,63.373 41.127,68.45 U2.4
GPIO5: J3.5 J16.4 U2.5 | length 69
  Top Layer w0.254: J3.5 21.356,47.62 22.022,48.285 22.022,59.625 25.262,62.865 36.261,62.865 41.137,67.742 51.258,67.742 51.82,67.18 U2.5
GPIO6: J3.6 J13.4 R24.1 U2.6 | length 73.1
  Top Layer w0.254: J3.6@2.596,45.08 J3.6 3.46,44.12 21.92,44.12 22.53,44.729 22.53,59.414 25.472,62.357 36.471,62.357 41.145,67.031 50.269,67.031 50.8,66.5 R24.1 50.854,65.91 U2.6
GPIO7: J3.7 J13.3 R7.1 U2.7 | length 72
  Top Layer w0.254: J3.7 3.546,43.586 22.2,43.586 23.038,44.425 23.038,59.204 25.683,61.849 36.681,61.849 38.082,63.25 50.25,63.25 50.793,63.793 50.793,64.493 50.94,64.64 U2.7
GPIO8: J3.10 R12.1 R14.2 U2.10 | length 80.1
  Top Layer w0.254: J3.10 3.46,33.96 24.174,33.96 24.663,34.45 24.663,58.572 26.314,60.223 37.211,60.223 38.594,61.606 49.994,61.606 50.8,60.8 R14.2 50.88,60.83 U2.10
GPIO9: C7.1 J2.14 J7.5 Q6.2 S1.3 U2.15 | length 77.4
  Top Layer w0.254: U2.15 79.175,55.75 87.554,47.371 106.604,47.371 108.433,45.542 108.433,28.873 111.296,26.01 114.572,26.01 115.019,26.456 115.019,26.682 115.292,26.955 116.458,26.955 116.731,26.682 116.731,26.456 117.533,25.654 126.606,25.654 J2.14
GPIO10: J3.11 J7.3 U2.11 | length 79.1
  Top Layer w0.254: J3.11 3.546,33.426 24.359,33.426 25.298,34.366 25.298,50.952 25.776,51.43 J7.3 31.974,51.43 32.334,51.791 32.334,59.182 32.712,59.56 U2.11
GPIO11: J3.13 J7.6 J7.12 U2.12 | length 68.3
  Top Layer w0.254: J3.13 3.546,28.346 28.186,28.346 J7.12 ; J7.6 28.456,43.764 33.147,43.764 33.579,44.196 33.579,57.836 34.033,58.29 U2.12
GPIO12: J3.12 J7.7 J7.10 U2.13 | length 73.8
  Top Layer w0.254: J3.12 3.46,28.88 25.832,28.88 26.111,29.159 26.111,33.325 26.436,33.65 J7.10 ; J7.7 34.361,41.27 34.976,41.885 34.976,56.693 35.303,57.02 U2.13
GPIO13: J3.14 J7.9 J7.13 U2.14 | length 73.3
  Top Layer w0.254: J3.14 25.065,24.76 26.335,26.03 J7.13 ; J7.9 35.53,36.19 36.093,36.754 36.093,55.397 36.446,55.75 U2.14
GPIO15: J2.7 J7.14 U2.23 | length 66.7
  Top Layer w0.254: U2.23 79.784,65.91 92.075,53.619 108.255,53.619 114.63,47.244 114.63,42.469 115.164,41.935 126.691,41.935 127.295,42.54 J2.7
GPIO18: J2.13 J7.11 U2.16 | length 77.7
  Top Layer w0.254: U2.16 79.2,57.02 88.062,48.158 106.832,48.158 109.22,45.771 109.22,28.804 111.506,26.518 114.362,26.518 114.511,26.666 114.511,26.893 115.081,27.463 116.668,27.463 117.239,26.893 117.239,26.666 117.388,26.518 126.718,26.518 J2.13
GPIO19: J2.12 U2.17 | length 73.9
  Top Layer w0.254: U2.17 79.276,58.29 88.544,49.022 107.112,49.022 110.388,45.745 110.388,31.521 111.15,30.759 126.581,30.759 J2.12
GPIO20: J2.11 R17.1 U2.18 | length 73.8
  Top Layer w0.254: U2.18 79.226,59.56 89.027,49.759 107.391,49.759 111.15,45.999 111.15,32.156 111.735,31.572 126.692,31.572 J2.11
GPIO21: J2.10 R15.1 U2.19 | length 70.3
  Top Layer w0.254: U2.19 79.454,60.83 89.764,50.521 107.772,50.521 112.065,46.228 112.065,36.297 112.471,35.89 121.3,35.89 121.31,35.88 126.54,35.88 J2.10
GPIO22: J2.9 R16.1 U2.20 | length 70.3
  Top Layer w0.254: U2.20 79.378,62.1 90.145,51.333 108.102,51.333 112.979,46.457 112.979,36.957 113.36,36.576 126.616,36.576 J2.9
GPIO23: J2.8 R21.1 U2.21 | length 66.3
  Top Layer w0.254: U2.21 79.403,63.37 90.653,52.121 108.483,52.121 113.817,46.787 113.817,41.91 114.757,40.97 126.53,40.97 J2.8
NetC3_2: C3.2 R9.2 R11.2 U1.8
NetC9_1: C9.1 D6.A J4.2 Q2.3
NetC10_1: C10.1 D7.A J5.2 Q3.3
NetC11_1: C11.1 D8.A J6.2 Q4.3
NetC15_1: C15.1 D9.A J8.2 Q5.3
NetD5_2: D5.2 R12.2
NetD10_2: D10.2 J10.1
NetD11_2: D11.2 J12.1
NetD12_2: D12.2 J11.1
NetD13_2: D13.2 R23.2
NetJ1_A5: J1.A5 R6.2
NetJ1_B5: J1.B5 R5.2
NetQ1_1: Q1.1 R3.1
NetQ6_1: Q6.1 R4.1
NetR1_2: R1.2 U1.26
NetR2_2: R2.2 U1.25
NetR8_1: R8.1 U1.11
NetR10_1: R10.1 U1.9
RTS: Q1.2 R4.2 U1.24
UART_RXD: J2.6 R1.1 U2.24 | length 62.9
  Top Layer w0.254: U2.24 80.013,67.18 92.659,54.534 110.367,54.534 119.024,45.877 126.703,45.877 J2.6
UART_TXD: J2.5 R2.1 U2.25 | length 63
  Top Layer w0.254: U2.25 80.038,68.45 93.116,55.372 110.247,55.372 118.807,46.812 126.692,46.812 J2.5
VBUS: D1.2 D4.2 J1.A4_B9 J1.B4_A9 R9.1
pads on no net: H1.1 H2.1 H3.1 H4.1 J1. J1.A8 J1.B8 J7.4 J9.1 J9.2 J9.3 J9.4 S1.2 S1.4 S2.2 S2.4 U1.1 U1.2 U1.10 U1.12 U1.13 U1.14 U1.15 U1.16 U1.17 U1.18 U1.19 U1.20 U1.21 U1.22 U1.23 U1.27 U2.22

## Silkscreen, mask and mechanical layers (free items; w line width, h text height)
Top Overlay:
  text "IOT GreenHouse" at 199.853,84.383 h1.2
  text "V1.0 Rev A" at 202.215,81.945 h1.2
  text "12V" at 20.12,76.883 h1 r90
  text "EN" at 48.8,75.2 h1 r90
  text "BOOT" at 90.224,74.317 h1 r90
  text "5V" at 110.969,69.821 h1
  text "12V" at 98.676,69.796 h1
  text "GND" at 115.668,69.796 h1
  text "GND" at 103.654,69.771 h1
  text "GND" at 4.086,61.49 h1
  text "12V" at 23.06,61.135 h1
  text "3V3" at 222.247,58.468 h1
  text "IO2_ADC1_2" at 232.323,52.438 h1
  text "IO3" at 232.297,49.782 h1
  text "IO0_ADC1_0" at 232.221,47.409 h1
  text "IO1_ADC1_1" at 232.297,44.793 h1
  text "IO10" at 232.323,42.34 h1
  text "IO4_SCK" at 232.323,39.84 h1
  text "IO5_MISO" at 232.348,37.376 h1
  text "IO6_MOSI" at 232.348,34.709 h1
  text "IO7_SS" at 232.45,31.991 h1
  text "5V" at 232.551,29.488 h1
  text "3V3" at 125.778,20.52 h1
  text "TX" at 208.661,18.373 h1
  text "RX" at 208.763,15.731 h1
  text "5V" at 5.7,14.7 h1
  text "V+" at 82.217,13.23 h1
  text "PUMP" at 84.96,13.23 h1
  text "FAN" at 95.475,13.205 h1
  text "V+" at 102.384,13.179 h1
  text "LAMP" at 115.135,13.179 h1
  text "V+" at 92.453,13.154 h1
  text "HEAT" at 105.026,13.154 h1
  text "V+" at 112.493,13.154 h1
  text "IO19" at 207.188,13.166 h1
  text "TEMP-HU" at 40.51,12.316 h1
  text "SOIL" at 65.935,11.757 h1
  text "PH" at 55.089,11.63 h1
  text "3V3" at 70.736,11.351 h1
  text "IO18" at 207.214,10.702 h1
  text "CO2" at 13.611,10.589 h1
  text "BRIG" at 28.343,10.462 h1
  text "I09_SCL" at 204.14,8.278 h1
  text "I08_SDA" at 204.013,5.763 h1
  text "GND" at 207.95,3.108 h1
  text "GND" at 207.976,0.593 h1
  text "GND" at 207.925,-2.074 h1
Board:
  lines w0.2: 0,5 ccw(c5,5) 5,0 125,0 ccw(c125,5) 130,5 130,75 ccw(c125,75) 125,80 76,80 75,80 75,73.25 55,73.25 55,80 54,80 5,80 ccw(c5,75) 0,75 0,59 0,21 0,5

## Dimensions
0,5 to 130,0 on Drill Drawing
-1,0 to -1,80 on Drill Drawing